# Altium PCB Dehyrator_TV01.PcbDoc
Units mil, origin at the board's own origin, x right, y up, seen from the top; angles counter-clockwise.
Board outline 2759 x 6460.18 mil, 2 copper layers (Top Layer, Bottom Layer); 105 components, 87 nets, 282 pads, 239 vias.
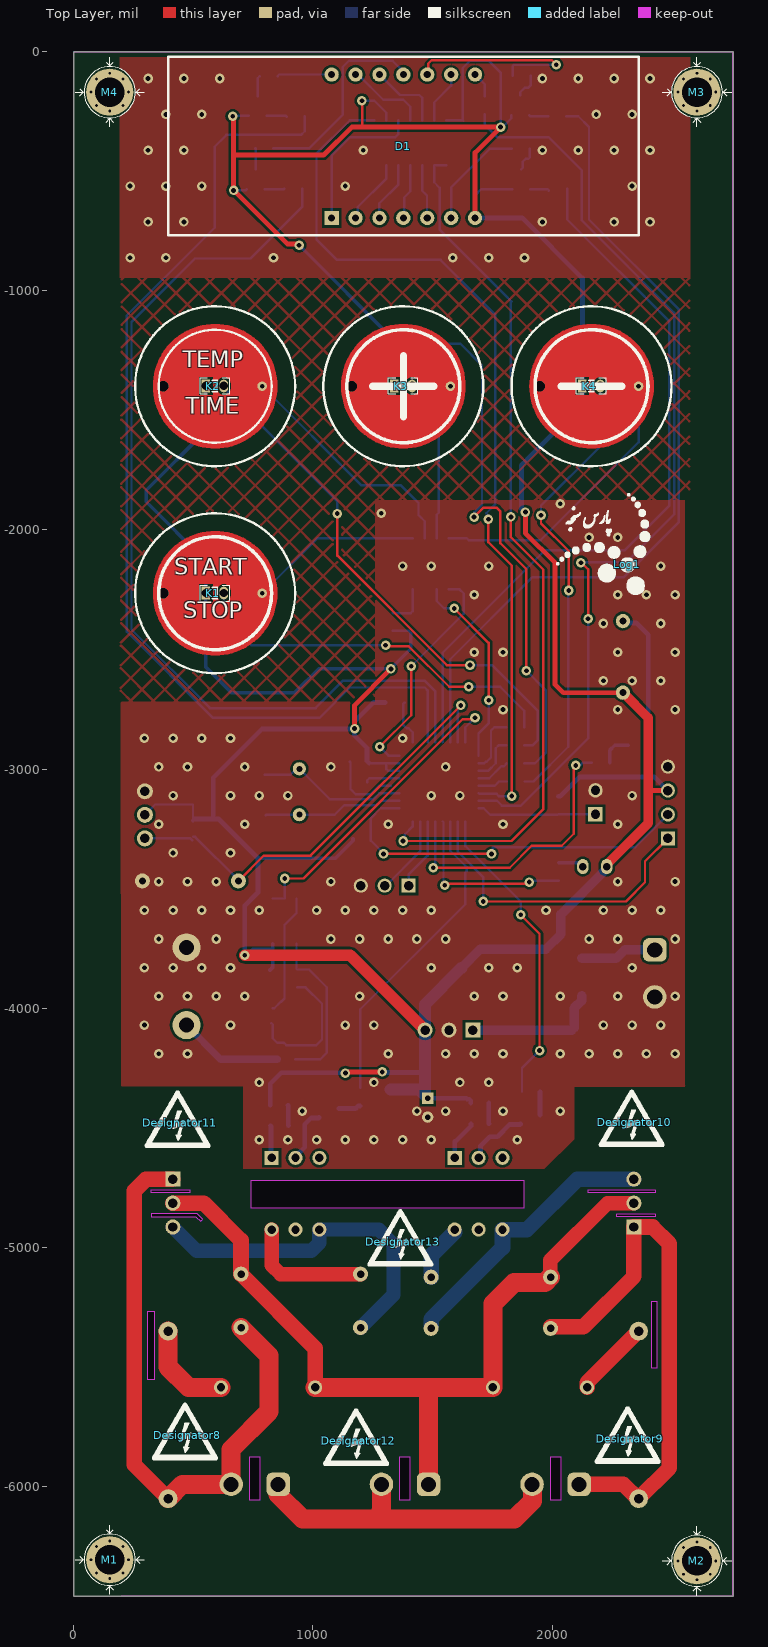
[diagram p0: Top Layer view]
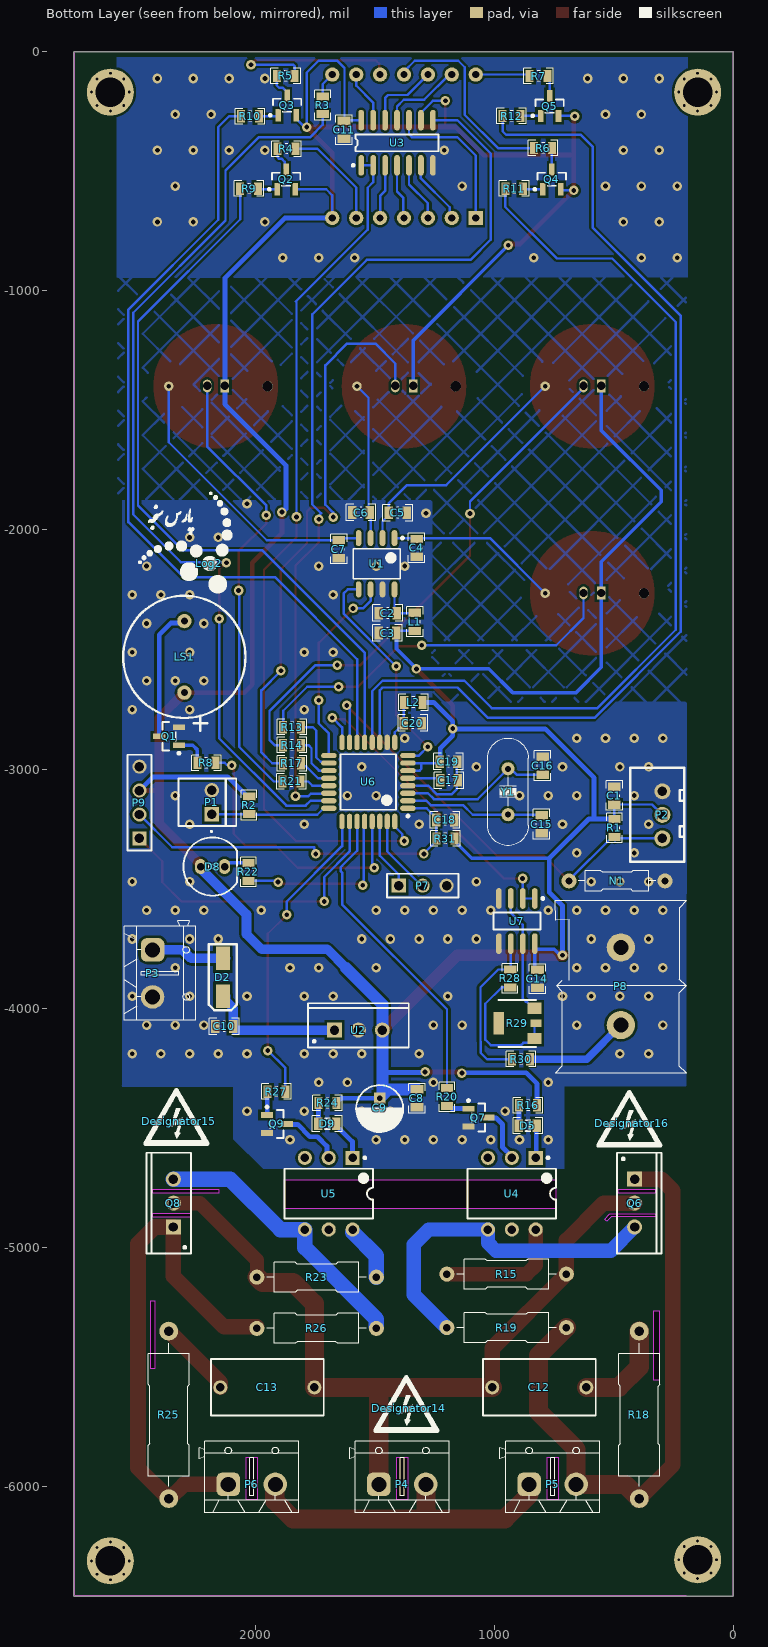
[diagram p1: Bottom Layer view, seen from below]
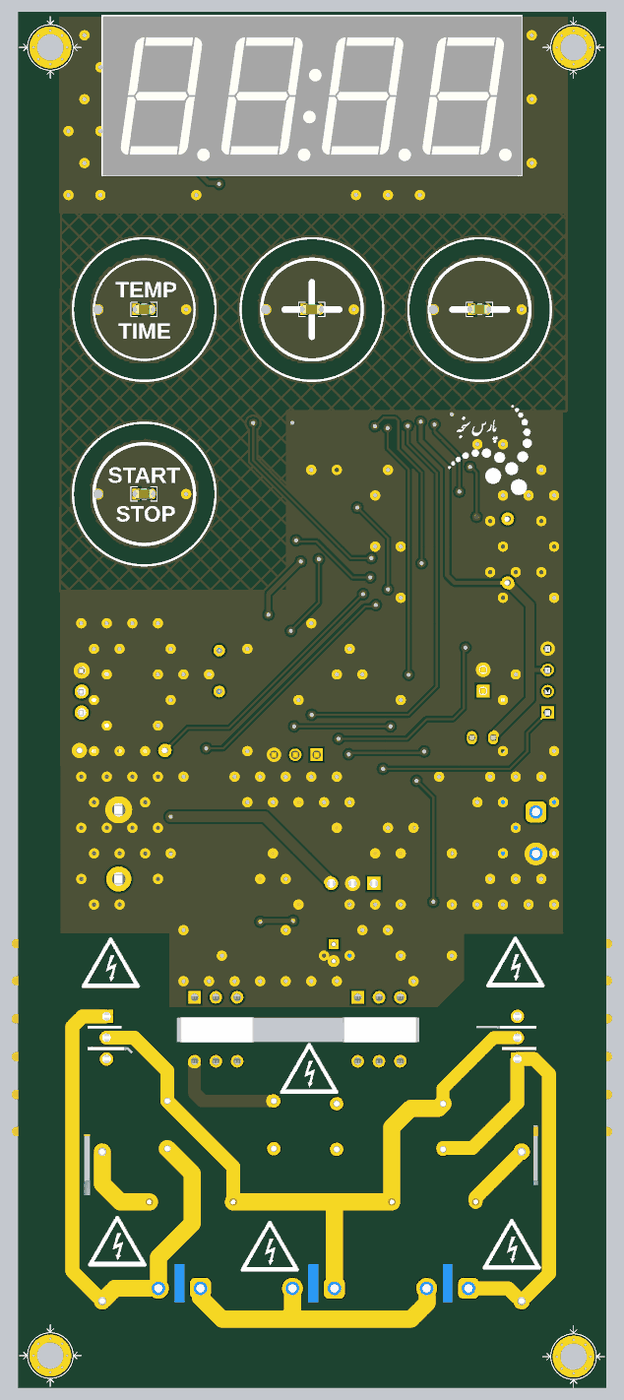
[diagram p2: 3D render of the assembled board from above, using the file's embedded part models]
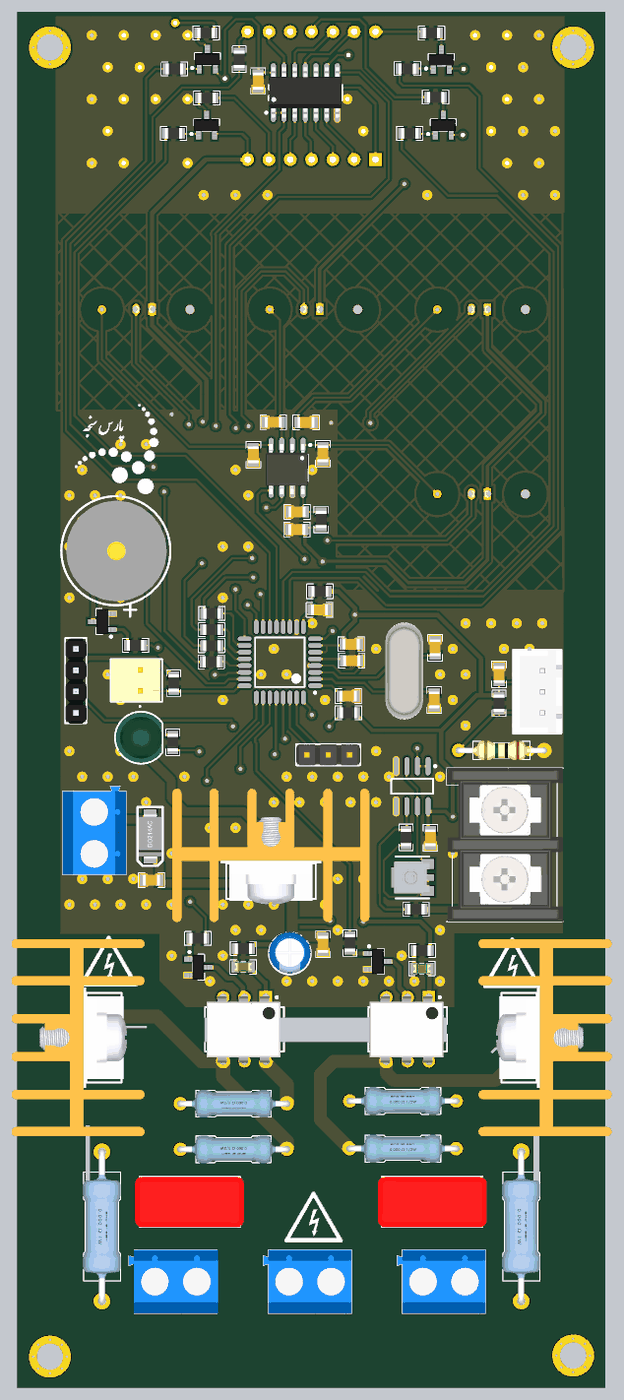
[diagram p3: 3D render of the assembled board from below, using the file's embedded part models]

## Layer stack, top to bottom
Top Solder: solder mask 0.4, Solder Resist, Dk 3.5
Top Layer: signal copper 1.4
Dielectric 1: dielectric 12.6, FR-4, Dk 4.8
Bottom Layer: signal copper 1.4
Bottom Solder: solder mask 0.4, Solder Resist, Dk 3.5

## Board outline
-0.15,-6460.18 2758.85,-6460.18 2758.85,0 -0.15,0
cut-out: 307.85,-5556.18 307.85,-5269.18 335.85,-5269.18 335.85,-5556.18
cut-out: 2417.85,-5507.18 2417.85,-5227.18 2438.85,-5227.18 2438.85,-5507.18
cut-out: 323.85,-4861.18 323.85,-4874.18 509.71,-4874.18 510.28,-4873.61 529.35,-4892.68 538.54,-4883.49 516.24,-4861.18
cut-out: 2270.85,-4860.18 2430.85,-4860.18 2430.85,-4873.18 2270.85,-4873.18
cut-out: 2150.85,-4760.18 2430.85,-4760.18 2430.85,-4773.18 2150.85,-4773.18
cut-out: 323.85,-4760.18 483.85,-4760.18 483.85,-4773.18 323.85,-4773.18
cut-out: 2037.85,-5880.18 1991.85,-5880.18 1991.85,-6058.18 2037.85,-6058.18
cut-out: 778.85,-5880.18 732.85,-5880.18 732.85,-6058.18 778.85,-6058.18
cut-out: 1407.85,-5880.18 1361.85,-5880.18 1361.85,-6058.18 1407.85,-6058.18
cut-out: 1373.85,-6058.18
cut-out: 741.85,-4721.18 1880.85,-4721.18 1880.85,-4838.18 741.85,-4838.18

## Design rules (kind name [scope] priority, off if disabled: settings)
Clearance [(IsPad AND (InComponent('K1') OR InComponent('K2') OR InComponent('K3') OR InComponent('K4'))) vs ((IsArc OR IsRegion) AND (InComponent('K1') OR InComponent('K2') OR InComponent('K3') OR InComponent('K4')))] p1: gap=0 ignorepadtopadclearanceinfootprint=TRUE
Clearance Clearance_2 [((IsArc OR IsRegion OR IsPad) AND (InComponent('K1') OR InComponent('K2') OR InComponent('K3') OR InComponent('K4'))AND InNetClass('Touch')) vs InNet('GND')] p2: gap=78.74 ignorepadtopadclearanceinfootprint=TRUE
Clearance Clearance_1 [All] p3: gap=10 ignorepadtopadclearanceinfootprint=TRUE except(0: Arc-Hole Track-Hole SMDPad-Hole THPad-Hole Via-Hole Fill-Hole Poly-Hole Region-Hole Text-Hole)
Height [All] p1: minheight=0 maxheight=10000 prefheight=500
PolygonConnect [All] p1: connectstyle=Direct reliefconductorwidth=10 reliefentries=4 polygonreliefangle="90 Angle" airgapwidth=10
RoutingVias [All] p1: holewidth=28 width=50 viastyle="Through Hole" minholewidth=20 minwidth=40 maxholewidth=20 maxwidth=40
SolderMaskExpansion [All] p1: expansion=4
Width [InNetClass('HV')] p1: maxlimit=500 minlimit=60 preferedwidth=80 minimp=50.000000 maximp=50.000000 favimp=50.000000
Width Width_1 [All] p2: maxlimit=500 minlimit=10 preferedwidth=10 minimp=50.000000 maximp=50.000000 favimp=50.000000
29 further rules are at their usual default settings.

## Classes and differential pairs
net class Touch: MINUS PLUS START/STOP TEMP/TIME
net class HV: NetC12_2 NetC13_2 NetQ6_3 NetQ8_3 NetR15_2 NetR23_2 NetU4_3 NetU4_5 NetU5_3 NetU5_5 NO1 NO2 NULL PHASE
component class Dehyrator_TV01: C1 C2 C3 C4 C5 C6 C7 C8 C9 C10 C11 C12 C13 C14 C15 C16 C17 C18 C19 C20 D1 D2 D5 D8 D9 K1 K2 K3 K4 L1 L2 Log1 Log2 LS1 M1 M2 M3 M4 N1 P1 P2 P3 P4 P5 P6 P7 P8 P9 Q1 Q2 Q3 Q4 Q5 Q6 Q7 Q8 Q9 R1 R2 R3 R4 R5 R6 R7 R8 R9 R10 R11 R12 R13 R14 R15 R16 R17 R18 R19 R20 R21 R22 R23 R24 R25 R26 R27 R28 R29 R30 R31 U1 U2 U3 U4 U5 U6 U7 Y1

## Components (designator, comment, footprint, x,y, rotation, side; value= is the part's Value field where it differs from the comment)
C1 "Cap" CAP0805 497.85,-3111.18 r270 bottom value=100nF
C2 "Cap" CAP0805 1445.85,-2348.18 r180 bottom value=100nF
C3 "Cap" CAP0805 1446.85,-2431.18 r180 bottom value=100nF
C4 "Cap" CAP0805 1324.85,-2075.18 r90 bottom value=10pF
C5 "Cap" CAP0805 1403.85,-1928.18 r0 bottom value=10pF
C6 "Cap" CAP0805 1557.85,-1927.18 r180 bottom value=10pF
C7 "Cap" CAP0805 1650.85,-2080.18 r90 bottom value=10pF
C8 "Cap" CAP0805 1323.85,-4377.78 r90 bottom value=100nF
C9 "16V" "Cap electrolitic radial 5x11-2" 1479.85,-4417.18 r270 bottom value=100uF
C10 "Cap" CAP0805 2129.85,-4077.18 r180 bottom value=100nF
C11 "Cap" CAP0805 1628.85,-326.18 r90 bottom value=100nF
C12 "10nF/400V" Cap_polyester_400V 1008.85,-5587.18 r0 bottom
C13 "10nF/400V" Cap_polyester_400V 1752.85,-5587.18 r180 bottom
C14 "Cap" CAP0805 819.85,-3878.18 r270 bottom value=100nF
C15 "Cap" CAP0805 801.85,-3231.18 r90 bottom value=20pf
C16 "Cap" CAP0805 797.85,-2986.18 r270 bottom value=20pf
C17 "Cap" CAP0805 1189.85,-3047.18 r0 bottom value=1uF
C18 "Cap" CAP0805 1205.85,-3213.18 r180 bottom value=100nF
C19 "Cap" CAP0805 1191.85,-2969.18 r0 bottom value=100nF
C20 "Cap" CAP0805 1340.85,-2808.18 r0 bottom value=100nF
D1 "snf-54604-FSR" 7SEG-4CLOCK-50X19 1377.95,-394.6 r0 top
D2 "Diode 1N4001" DO-241AC 2135.85,-3868.18 r270 bottom
D5 "LED1" LED_0805 858.85,-4492.18 r180 bottom
D8 "LOGO_LED" LED5MM_BLUE 2178.85,-3408.18 r180 bottom
D9 "LED1" LED_0805 1697.85,-4484.18 r180 bottom
Designator8 "Comment" LOGO_HV 473.85,-5787.18 r0 top
Designator9 "Comment" LOGO_HV 2325.85,-5802.18 r0 top
Designator10 "Comment" LOGO_HV 2343,-4477 r0 top
Designator11 "Comment" LOGO_HV 443,-4481 r0 top
Designator12 "Comment" LOGO_HV 1189.85,-5811.18 r0 top
Designator13 "Comment" LOGO_HV 1374.85,-4977.18 r0 top
Designator14 "Comment" LOGO_HV 1358.85,-5674.18 r180 bottom
Designator15 "Comment" LOGO_HV 2320.85,-4473.18 r180 bottom
Designator16 "Comment" LOGO_HV 425.85,-4481.18 r180 bottom
K1 "Touch pad" TOUCHLED_CIRCULAR 590.55,-2264.68 r0 top
K2 "Touch pad" TOUCHLED_CIRCULAR 590.55,-1398.54 r0 top
K3 "Touch pad" TOUCHLED_CIRCULAR 1377.95,-1398.54 r0 top
K4 "Touch pad" TOUCHLED_CIRCULAR 2165.35,-1398.54 r0 top
L1 "Inductor" IND0805 1332.85,-2384.18 r90 bottom value=10uH
L2 "Inductor" IND0805 1338.85,-2721.18 r0 bottom value=10uH
Log1 "Logo" LOGO_PARS_TOP 2314.85,-2144.18 r0 top
Log2 "Logo" LOGO_PARS_TOP 2191.85,-2140.18 r180 bottom
LS1 "Buzzer" BUZZER_12A05 2296.85,-2530.79 r270 bottom
M1 "Screw3mm" "Board Screw 3mm" 149.61,-6308.18 r0 top
M2 "Screw3mm" "Board Screw 3mm" 2606.3,-6313.18 r0 top
M3 "Screw3mm" "Board Screw 3mm" 2606.3,-168.24 r0 top
M4 "Screw3mm" "Board Screw 3mm" 149.61,-168.24 r0 top
N1 "NTC 1%" "Axial 0_25 W, 0_4 IN LEAD PITCH" 486.85,-3468.18 r0 bottom value=10K
P1 "Reed Relay" DS1070-2-COMCON 2181.85,-3139.18 r270 bottom
P2 "Header 3" XH-3PIN 296.85,-3191.76 r90 bottom
P3 "Header 2" "KF301 2PIN" 2429.85,-3855.18 r270 bottom
P4 "Header 2" "KF301 2PIN" 1384.95,-5992.69 r180 bottom
P5 "Header 2" "KF301 2PIN" 756.03,-5992.69 r180 bottom
P6 "Header 2" "KF301 2PIN" 2014.87,-5992.69 r180 bottom
P7 "Header 3" PIN_M_1x3 1299.85,-3488.18 r0 bottom
P8 "Header 2" "KF35C 2PIN" 470.85,-3909.18 r90 bottom
P9 "Header 4" HDR_1x4 2484.85,-3290.18 r90 bottom
Q1 "SMBT3904" SOT23_N 2360.85,-2863.18 r0 bottom
Q2 "SMBT3906" SOT23_N 1870.85,-533.18 r90 bottom
Q3 "SMBT3906" SOT23_N 1866.85,-223.18 r90 bottom
Q4 "SMBT3906" SOT23_N 759.85,-533.18 r90 bottom
Q5 "SMBT3906" SOT23_N 768.85,-226.18 r90 bottom
Q6 "BT139" "TO-220 AB WITH HEAT SINK" 413.39,-4816.18 r270 bottom
Q7 "SMBT3904" SOT23_N 1066.85,-4458.18 r180 bottom
Q8 "BT139" "TO-220 AB WITH HEAT SINK" 2342.52,-4816.18 r90 bottom
Q9 "SMBT3904" SOT23_N 1909.85,-4485.18 r180 bottom
R1 "Res1" RES0805 497.85,-3246.58 r90 bottom value=4.7K
R2 "Res1" RES0805 2025.85,-3151.78 r90 bottom value=4.7K
R3 "Res1" RES0805 1717.85,-223.18 r270 bottom value=100
R4 "Res1" RES0805 1869.85,-405.18 r180 bottom value=100
R5 "Res1" RES0805 1872.85,-100.18 r180 bottom value=100
R6 "Res1" RES0805 795.85,-402.18 r0 bottom value=100
R7 "Res1" RES0805 814.85,-101.18 r0 bottom value=100
R8 "Res1" RES0805 2204.85,-2974.18 r0 bottom value=1K
R9 "Res1" RES0805 2025.85,-572.18 r0 bottom value=1K
R10 "Res1" RES0805 2021.85,-269.18 r0 bottom value=1K
R11 "Res1" RES0805 916.85,-572.18 r0 bottom value=1K
R12 "Res1" RES0805 927.85,-268.18 r0 bottom value=1K
R13 "Res1" RES0805 1845.85,-2825.18 r0 bottom value=100
R14 "Res1" RES0805 1846.45,-2900.18 r0 bottom value=100
R15 "Res1" "Axial 0_5W 5_0mm" 948.85,-5113.18 r180 bottom value=390
R16 "Res1" RES0805 858.45,-4407.18 r0 bottom value=100
R17 "Res1" RES0805 1846.85,-2976.18 r0 bottom value=100
R18 "Res1" "Axial 1W  7_0mm" 393.7,-5702.1 r270 bottom value=39/0.5W
R19 "Res1" "Axial 0_5W 5_0mm" 948.85,-5337.18 r180 bottom value=390
R20 "Res1" RES0805 1197.85,-4372.18 r270 bottom value=1K
R21 "Res1" RES0805 1848.85,-3052.18 r0 bottom value=100
R22 "Res1" RES0805 2028.85,-3430.18 r90 bottom value=100
R23 "Res1" "Axial 0_5W 5_0mm" 1743.85,-5126.18 r0 bottom value=390
R24 "Res1" RES0805 1697.85,-4397.18 r0 bottom value=100
R25 "Res1" "Axial 1W  7_0mm" 2362.2,-5702.1 r270 bottom value=39/0.5W
R26 "Res1" "Axial 0_5W 5_0mm" 1743.85,-5340.18 r0 bottom value=390
R27 "Res1" RES0805 1911.85,-4350.18 r0 bottom value=1K
R28 "Res1" RES0805 933.85,-3876.18 r90 bottom value=390k
R29 "RPot" Potentiometer_4mm_3364A_smd 904.68,-4064.17 r180 bottom value=100K
R30 "Res1" RES0805 887.85,-4214.18 r180 bottom value=1K
R31 "Res1" RES0805 1204.85,-3291.18 r0 bottom value=10K
U1 "BS814A-2" SO-8N 1492.85,-2141.18 r270 bottom
U2 "L7805CV" "TO-220 AB WITH HEAT SINK" 1568.85,-4092.18 r180 bottom
U3 "MC74HC164AD" SO14_N 1407.12,-380.18 r90 bottom
U4 "MOC3063" MOC3063 826.77,-4626.88 r270 bottom
U5 "MOC3063" MOC3063 1592.85,-4626.88 r270 bottom
U6 "STM8S005K6T6" LQFP32_N 1526.85,-3054.18 r0 bottom
U7 "LM358D" 751-02_N 905.85,-3636.18 r270 bottom
Y1 "16MHZ" "CRYSTAL Small" 942.85,-3095.24 r90 bottom

## Footprints (in the part's own frame and the unit in brackets; to place one, negate y for a bottom-side part, rotate by r counter-clockwise, add the part's x,y. Pads: shape width x height; smd on the part's side, far side on the other; paste and mask are expansions set on the pad)
7SEG-4CLOCK-50X19 [mil]
  rect 60x60 hole 30: 1(-300,-300)
  round 60 hole 30: 2(-200,-300) 3(-100,-300) 4(0,-300) 5(100,-300) 6(200,-300) 7(300,-300) 8(300,300) 9(200,300) 10(100,300) 11(0,300) 12(-100,300) 13(-200,300) 14(-300,300)
  silkscreen extent -984,-373 984,375, body extent -982,-376 986,372, height 315
751-02_N [mm] "SOIC, 8-Leads, Body 4.9x3.9mm, Pitch 1.27mm, IPC Medium Density"
  oval 2.2x0.6 smd: 1(-2.4,1.905) 2(-2.4,0.635) 3(-2.4,-0.635) 4(-2.4,-1.905) 5(2.4,-1.905) 6(2.4,-0.635) 7(2.4,0.635) 8(2.4,1.905)
  silkscreen extent -2.52,-2.5 0.9,2.88, body extent -1.95,-2.45 1.95,2.45, height 1.75
"Axial 0_5W 5_0mm" [mm] "Designer Abbas Basereh"
  round 1.6 hole 0.8: 1(6.35,0) 2(-6.35,0)
  silkscreen extent -5.3,-1.6 5.3,1.6, body extent -6.7,-1.65 6.7,1.65, height 4.02
"Axial 0_25 W, 0_4 IN LEAD PITCH" [mm] "Designer Abbas Basereh"
  round 1.6 hole 0.75: 1(5.1,0) 2(-5.1,0)
  silkscreen extent -4.1,-1.1 4.1,1.1, body extent -5.4,-1.16 5.36,1.16, height 3.63
"Axial 1W  7_0mm" [mm] "Designer Abbas Basereh"
  round 2 hole 1: 1(8.9,0) 2(-8.9,0)
  silkscreen extent -7.6,-2.2 7.6,2.2, body extent -9.26,-2.25 9.27,2.25, height 5.22
"Board Screw 3mm" [mm]
  round 5 hole 3.15 mask+0.1: S(0,0)
  silkscreen extent -3.68,-3.68 3.68,3.68
BUZZER_12A05 [mil]
  round 60 hole 30: 1(149.61,0) 2(-149.61,0)
  silkscreen extent -256,-256 309,256, body extent -235,-233 237,239, height 374
CAP0805 [mm] "Chip Capacitor, 2-Leads, Body 2/00x1/25mm, IPC Medium Density DESIGNER:ABBAS BASEREH"
  rect 0.9x1.35 smd: 1(-0.95,0) 2(0.95,0)
  silkscreen extent -1.58,-0.87 1.58,0.87, body extent -1.02,-0.65 1.02,0.65, height 0.5
"Cap electrolitic radial 5x11-2" [mm] "Cap electrolitic radial 5x11-2-Design:Abbas Basereh"
  rect 1.2x1.2 hole 0.6: 1(-1,0)
  round 1.2 hole 0.6: 2(1,0)
  silkscreen extent -2.4,-2.5 2.6,2.5, body extent -2.5,-2.5 2.5,2.5, height 11.3
Cap_polyester_400V [mm]
  round 1.5 hole 0.9: 1(0,0) 2(-10,0)
  silkscreen extent -11,-3 1,3, body extent -11.53,-3 1.47,3, height 12.1
"CRYSTAL Small" [mil] "DESIGNER ABBAS BASEREH"
  round 55 hole 25: 1(-96.06,0) 2(96.06,0)
  silkscreen extent -225,-85 225,85, body extent -226,-89 226,89, height 142
DO-241AC [mm]
  rect 2.5x1.5 smd: 1(-1.918,-0.005) 2(2.082,-0.005)
  silkscreen extent -3.42,-1.5 3.58,1.5, body extent -2.64,-1.37 2.84,1.42, height 2.39
DS1070-2-COMCON [mm]
  rect 1.54x1.54 hole 1: 1(1.27,0)
  round 1.54 hole 1: 2(-1.27,0)
  silkscreen extent -2.54,-3.53 3.13,2.59, body extent -2.54,-3.5 2.54,2.4, height 11.4
HDR_1x4 [mm]
  rect 1.5x1.5 hole 1: 1(0,0)
  round 1.5 hole 1: 2(2.54,0) 3(5.08,0) 4(7.62,0)
  silkscreen extent -1.27,-1.27 8.89,1.27, body extent -1.32,-1.3 8.84,1.24, height 8.38
IND0805 [mm] "Chip Inductor, 2-Leads, Body 2/00x1/25mm, IPC Medium Density DESIGNER:ABBAS BASEREH"
  rect 0.87x1.37 smd: 1(-0.97,0) 2(0.97,0)
  silkscreen extent -1.58,-0.87 1.58,0.87, body extent -1.02,-0.65 1.02,0.65, height 0.5
"KF35C 2PIN" [mm]
  round 3 hole 1.6: 1(-4.125,0) 2(4.125,0)
  silkscreen extent -9.22,-6.97 9.12,6.97, body extent -9.18,-6.97 9.13,6.83, height 15.07
"KF301 2PIN" [mm] "Designer Abbas Basereh"
  rrect50% 2.5x2.5 hole 1.6: 1(-2.5,0)
  round 2.5 hole 1.6: 2(2.5,0)
  silkscreen extent -5.6,-3 5,4.6, body extent -5.6,-3 5,4.6, height 10
LED5MM_BLUE [mm] "LED 5MM THROUGH HOLE BLUE-Designer Abbas Basereh"
  oval 1.2x1.6 hole 0.8: 1(-1.27,0) 2(1.27,0)
  silkscreen extent -3.1,-3.1 2.6,3.1, body extent -3,-3 2.5,3, height 9.14
LED_0805 [mm]
  rect 0.9x1.35 smd: 1(-0.975,0) 2(0.925,0)
  silkscreen extent -1.6,-0.85 1.55,0.85, body extent -1.04,-0.63 0.98,0.63, height 1.1
LOGO_HV [mil]
  silkscreen extent -146,-102 128,135
LOGO_PARS_TOP [mil]
  silkscreen extent -298,-125 96,298
LQFP32_N [mm] "Thin QFP, 32-Leads, Body 7x7mm, Pitch 0.8mm, IPC Medium Density"
  oval 1.65x0.55 smd: 1(-4.2,2.8) 2(-4.2,2) 3(-4.2,1.2) 4(-4.2,0.4) 5(-4.2,-0.4) 6(-4.2,-1.2) 7(-4.2,-2) 8(-4.2,-2.8) 17(4.2,-2.8) 18(4.2,-2) 19(4.2,-1.2) 20(4.2,-0.4) 21(4.2,0.4) 22(4.2,1.2) 23(4.2,2) 24(4.2,2.8)
  oval 0.55x1.65 smd: 9(-2.8,-4.2) 10(-2,-4.2) 11(-1.2,-4.2) 12(-0.4,-4.2) 13(0.4,-4.2) 14(1.2,-4.2) 15(2,-4.2) 16(2.8,-4.2) 25(2.8,4.2) 26(2,4.2) 27(1.2,4.2) 28(0.4,4.2) 29(-0.4,4.2) 30(-1.2,4.2) 31(-2,4.2) 32(-2.8,4.2)
  silkscreen extent -4.32,-2.95 2.95,3.75, body extent -3.5,-3.5 3.5,3.5, height 1.6
MOC3063 [mm]
  rect 1.5x1.5 hole 0.9: 1(0,0)
  round 1.5 hole 0.9: 2(0,-2.54) 3(0,-5.08) 4(7.62,-5.08) 5(7.62,-2.54) 6(7.62,0)
  silkscreen extent -0.12,-7.24 6.46,2.16, body extent -0.12,-7.07 7.8,1.73, height 4
PIN_M_1x3 [mm]
  rect 1.5x1.5 hole 1: 1(2.54,0)
  round 1.5 hole 1: 2(0,0) 3(-2.54,0)
  silkscreen extent -3.81,-1.27 3.81,1.27, body extent -3.81,-1.27 3.81,1.27, height 9.5
Potentiometer_4mm_3364A_smd [mm]
  rect 1.5x1.2 smd: 1(1.85,-1.6) 2(1.85,1.6)
  rect 1.2x0.8 smd: 3(2,0)
  rect 1.1x2.4 smd: ""(-1.95,0)
  silkscreen extent -2,-2.5 2,2.5, body extent -2.18,-1.9 2.05,1.9, height 1.01
RES0805 [mm] "Chip Resistor, 2-Leads, Body 2/00x1/25mm, IPC Medium Density DESIGNER:ABBAS BASEREH"
  rect 0.85x1.3 smd: 1(-0.95,0) 2(0.95,0)
  silkscreen extent -1.58,-0.82 1.58,0.82, body extent -1.02,-0.65 1.02,0.65, height 0.5
SO14_N [mm] "14-Pin Small Outline Integrated Circuit 1.27 mm Pitch, IPC Medium Density - Designer Abbas Basereh"
  oval 2.2x0.6 smd: 1(-2.4,3.81) 2(-2.4,2.54) 3(-2.4,1.27) 4(-2.4,0) 5(-2.4,-1.27) 6(-2.4,-2.54) 7(-2.4,-3.81) 8(2.4,-3.81) 9(2.4,-2.54) 10(2.4,-1.27) 11(2.4,0) 12(2.4,1.27) 13(2.4,2.54) 14(2.4,3.81)
  silkscreen extent -2.52,-4.4 0.9,4.79, body extent -3,-4.34 3,4.34, height 1.62
SO-8N [mm] "SOIC, 8-Leads, Body 4/89x3/90mm, Pitch 1/27mm, IPC Medium Density designer:abbas basereh"
  oval 1.7x0.6 smd mask+0.06: 1(-2.725,1.905) 2(-2.725,0.635) 3(-2.725,-0.635) 4(-2.725,-1.905) 5(2.725,-1.905) 6(2.725,-0.635) 7(2.725,0.635) 8(2.725,1.905)
  silkscreen extent -2.85,-2.5 1.6,2.88, body extent -2.82,-2.53 3.18,2.47, height 1.5
SOT23_N [mm] "SOT23, 3-Leads, Body 2.9x1.3mm, Pitch 0.95mm, Lead Span 2.3mm, IPC Medium Density"
  rect 1.3x0.6 smd: 1(-1.05,0.95) 2(-1.05,-0.95) 3(1.05,0)
  silkscreen extent -1.17,-1.5 0.7,1.92, body extent -1.27,-1.5 1.27,1.5, height 1.1
"TO-220 AB WITH HEAT SINK" [mm] "Epoxy meets UL94, V0-Design:Abbas Basereh"
  rect 1.6x1.6 hole 1: 1(-2.54,0)
  round 1.6 hole 1: 2(0,0) 3(2.54,0)
  silkscreen extent -5.35,-1.85 5.35,2.85, body extent -11.75,-4.6 11.75,11.3, height 25